# Altium PCB MCU_Board.PcbDoc
Units mil, origin at the board's own origin, x right, y up, seen from the top; angles counter-clockwise.
Board outline 1653.54 x 1968.5 mil, 4 copper layers (Top Layer, GND, Power, Bottom Layer), stack 23.756 mil thick; 49 components, 43 nets, 197 pads, 112 vias.
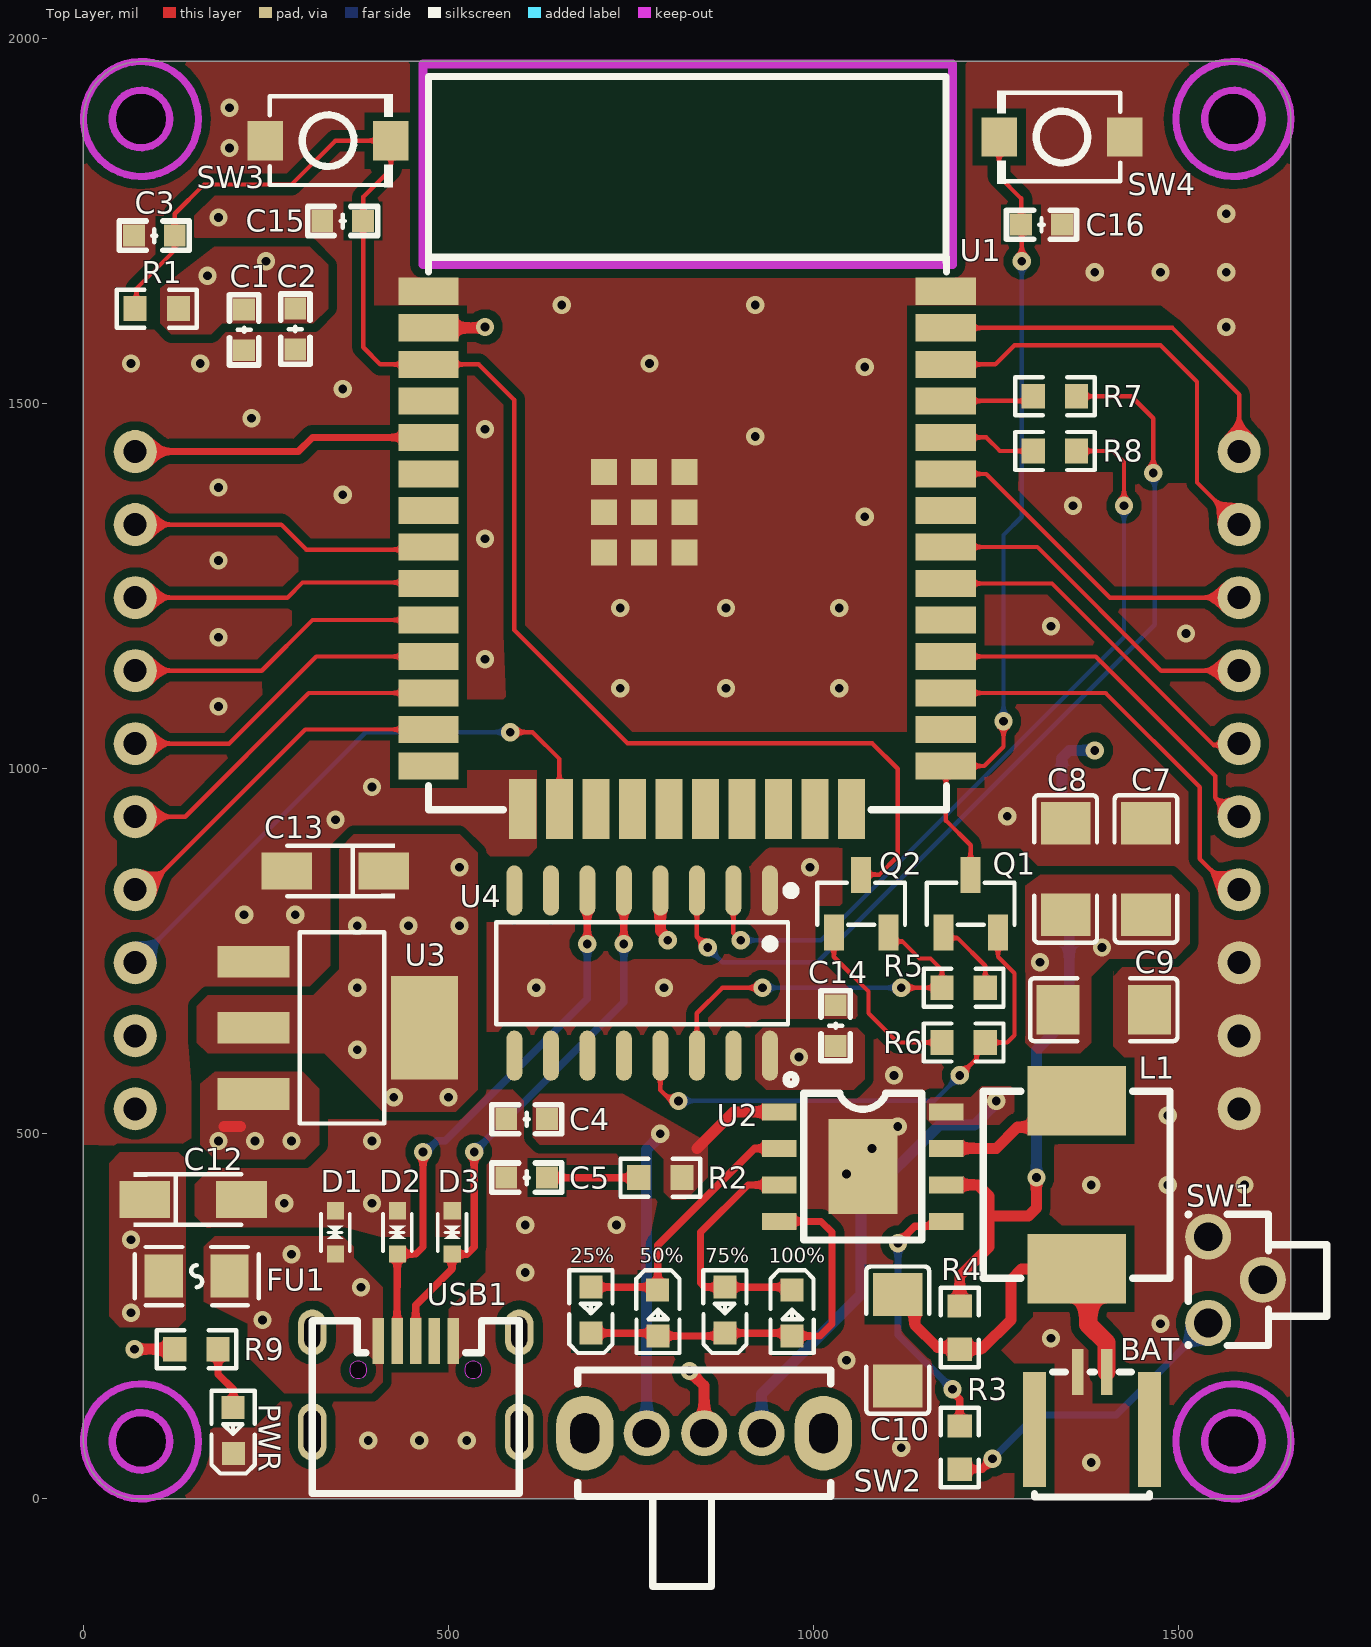
[diagram p0: Top Layer view]
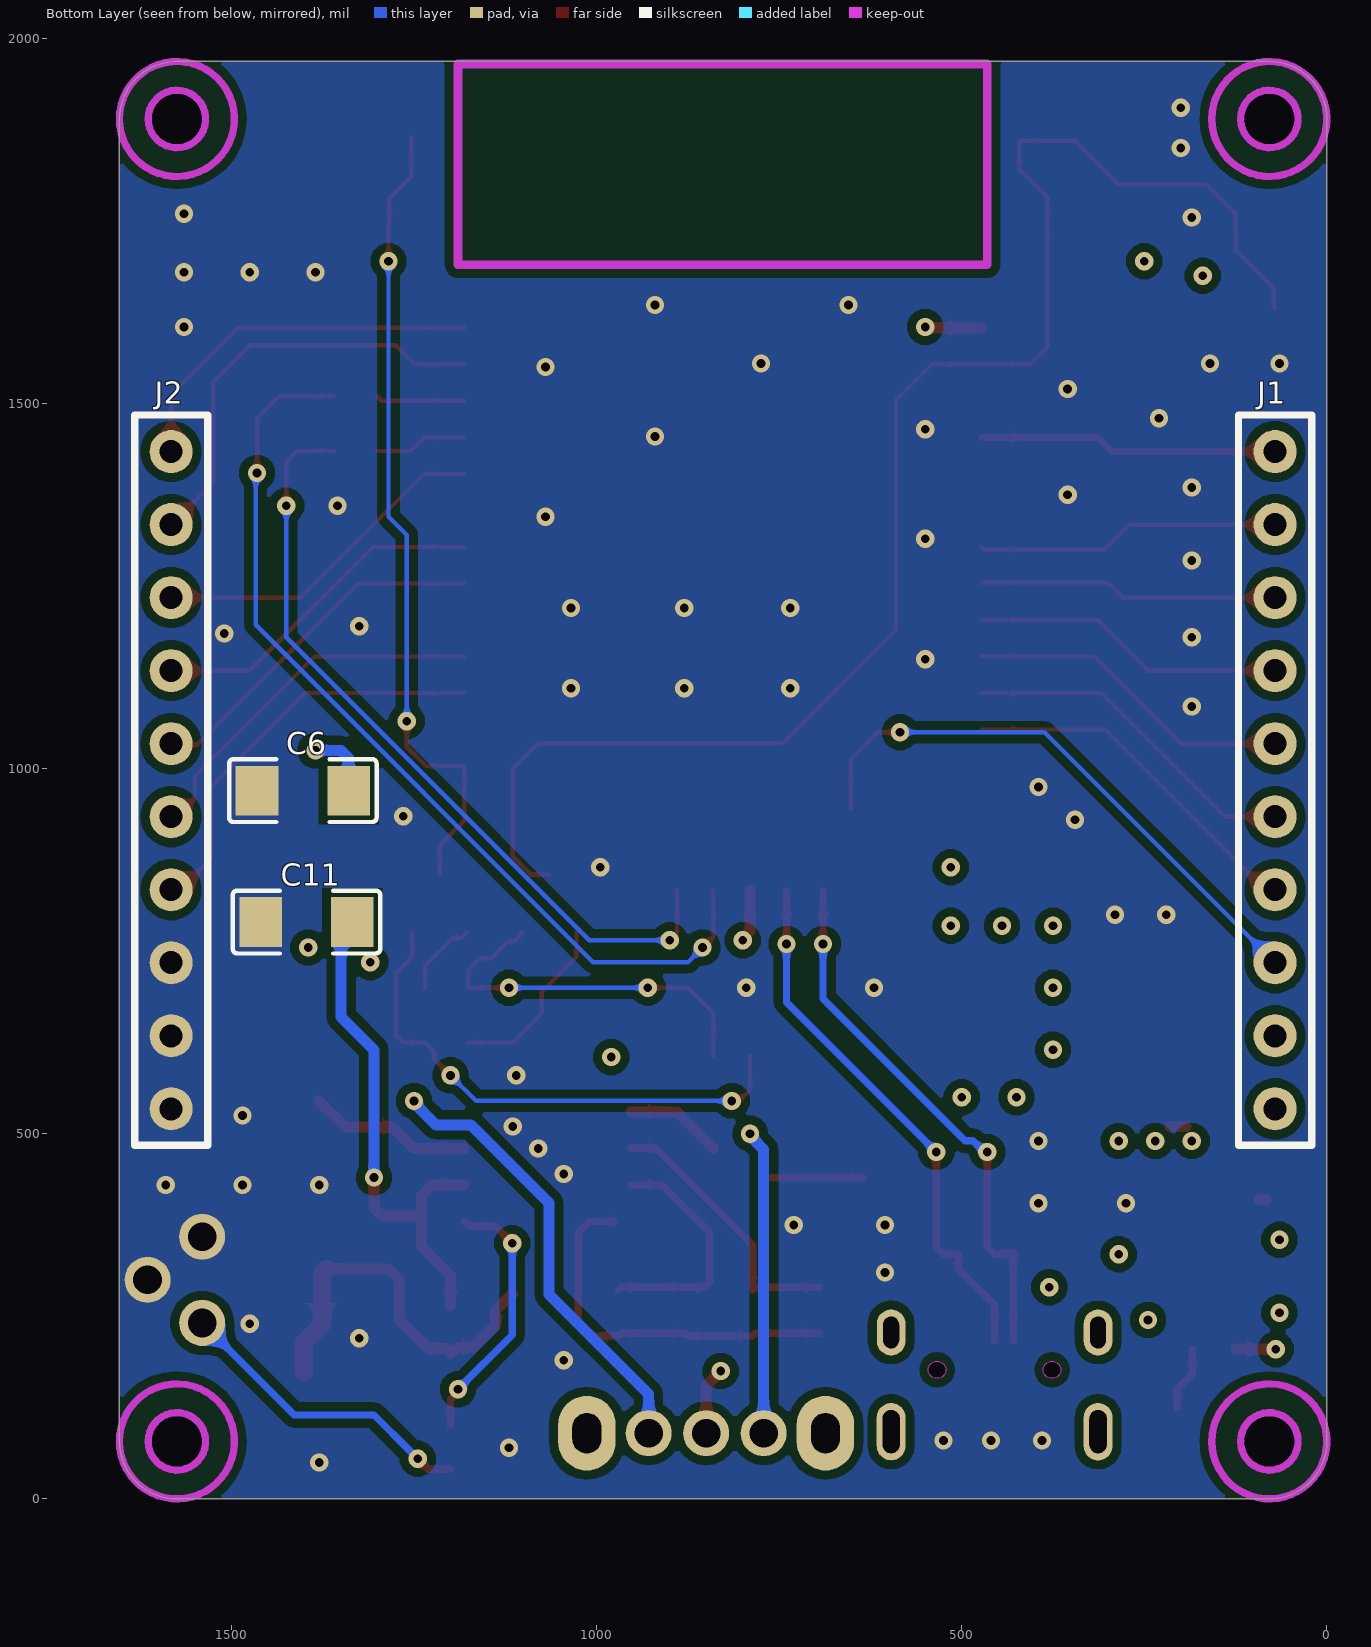
[diagram p1: Bottom Layer view, seen from below]
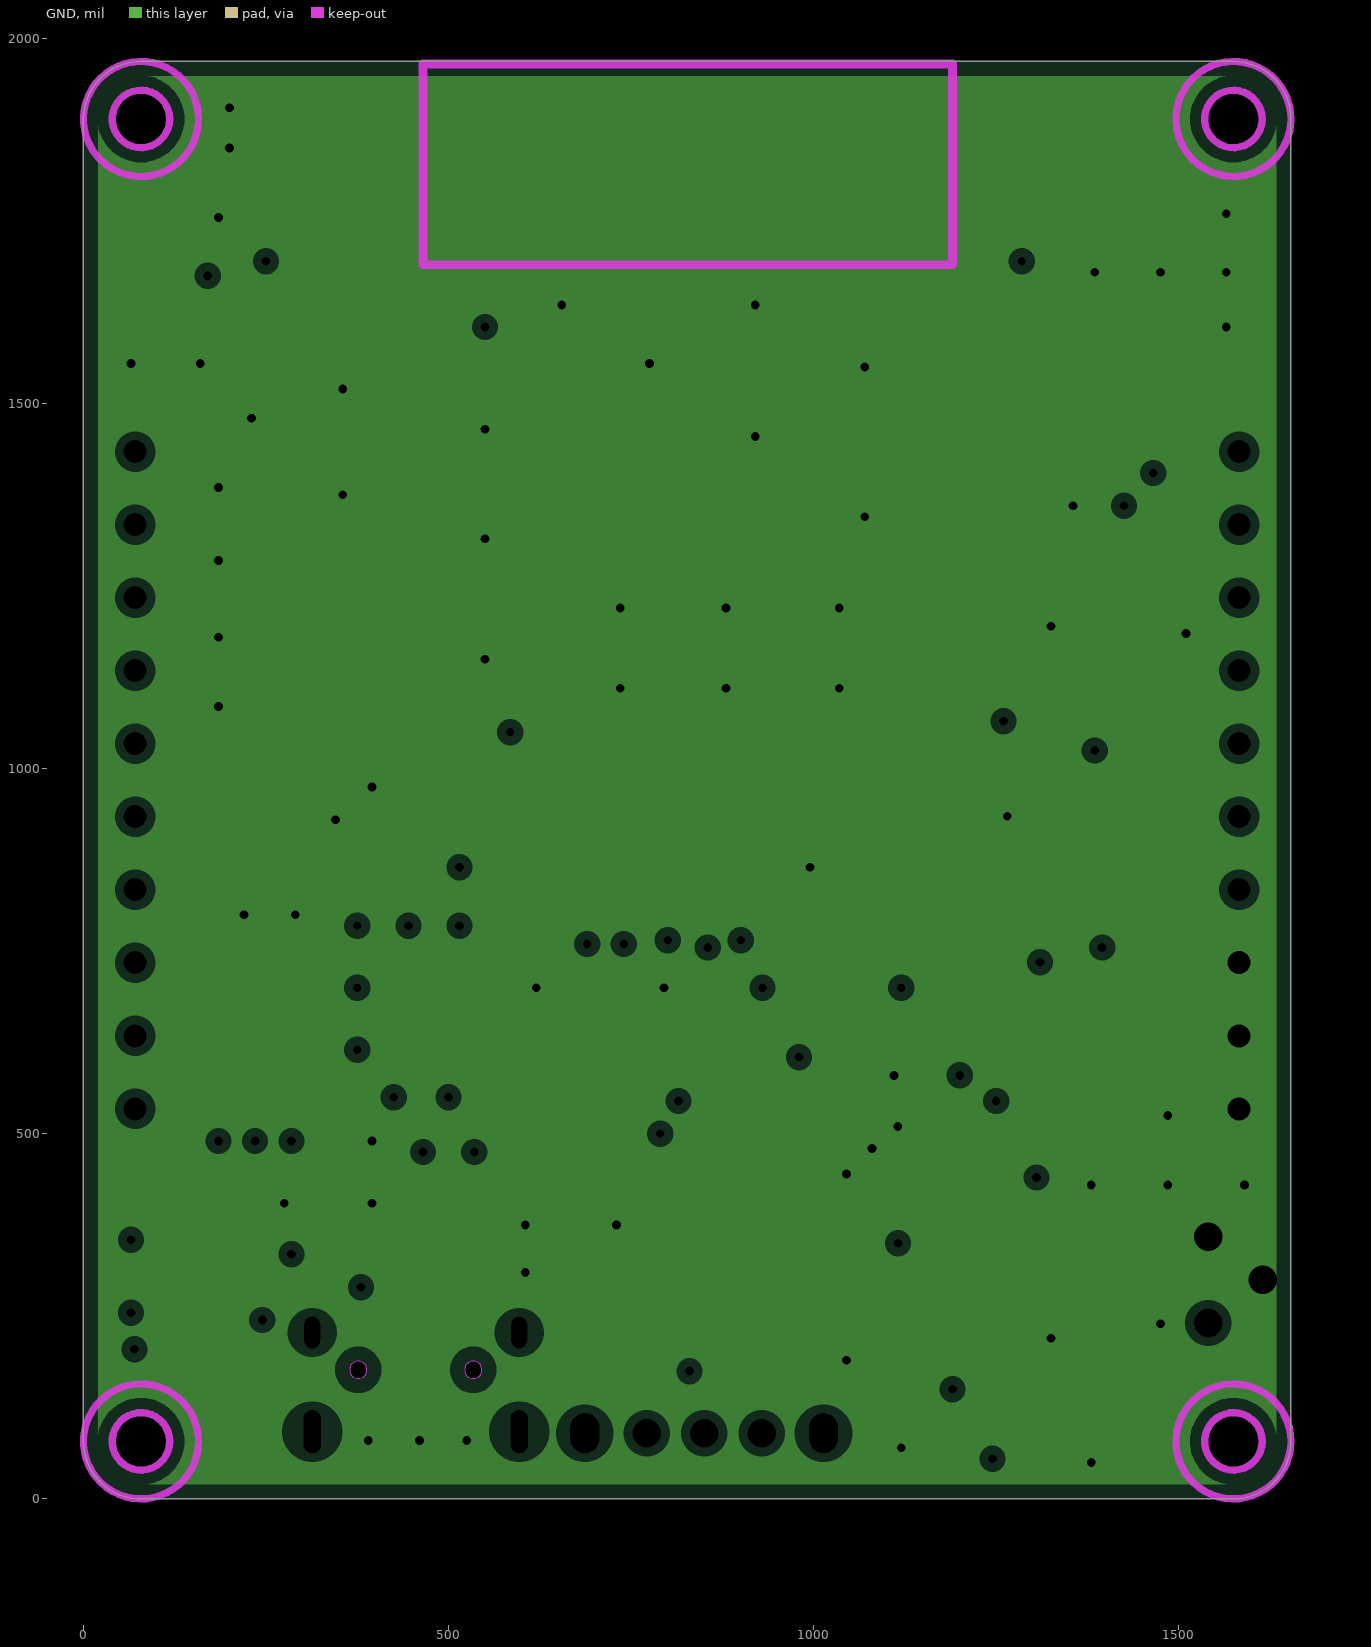
[diagram p2: GND, clearances drawn from the general rule]
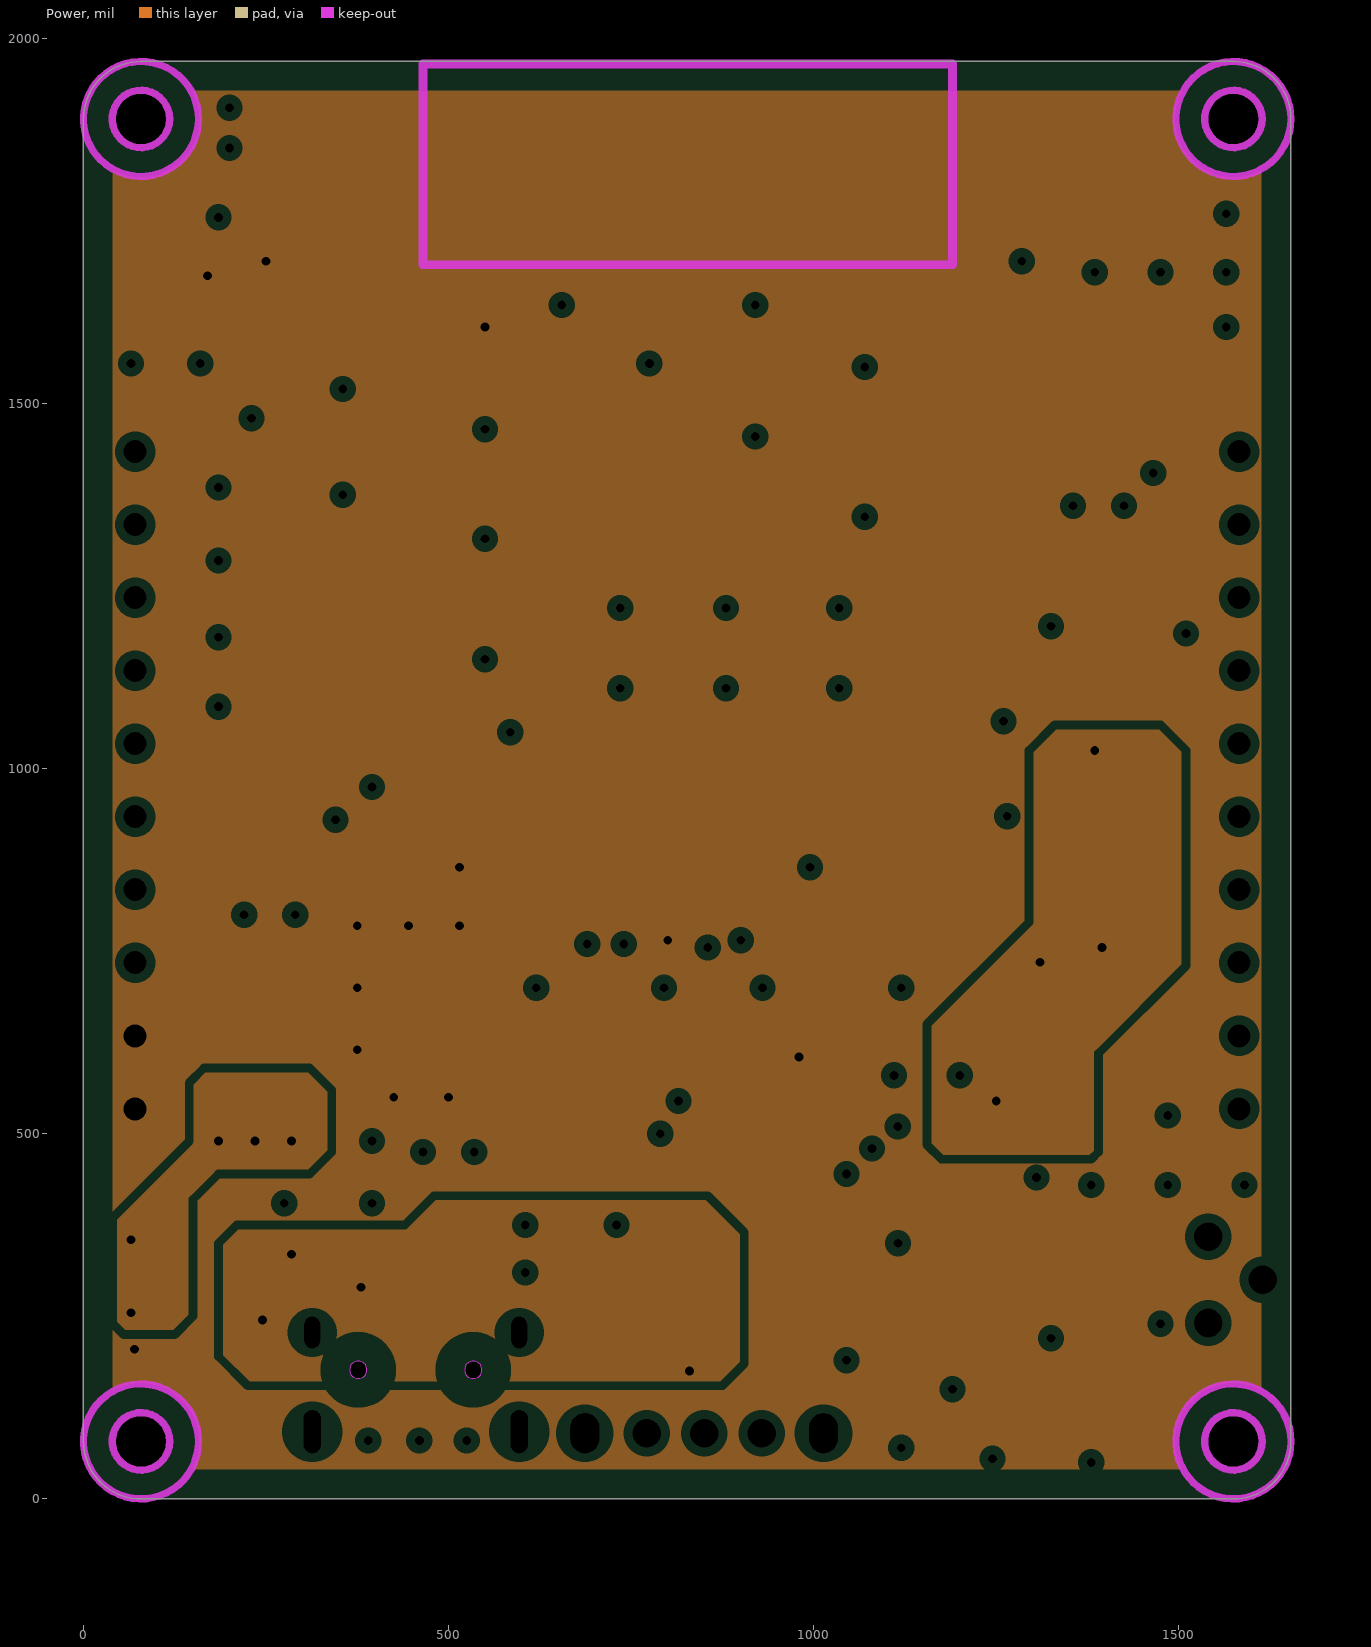
[diagram p3: Power, clearances drawn from the general rule]
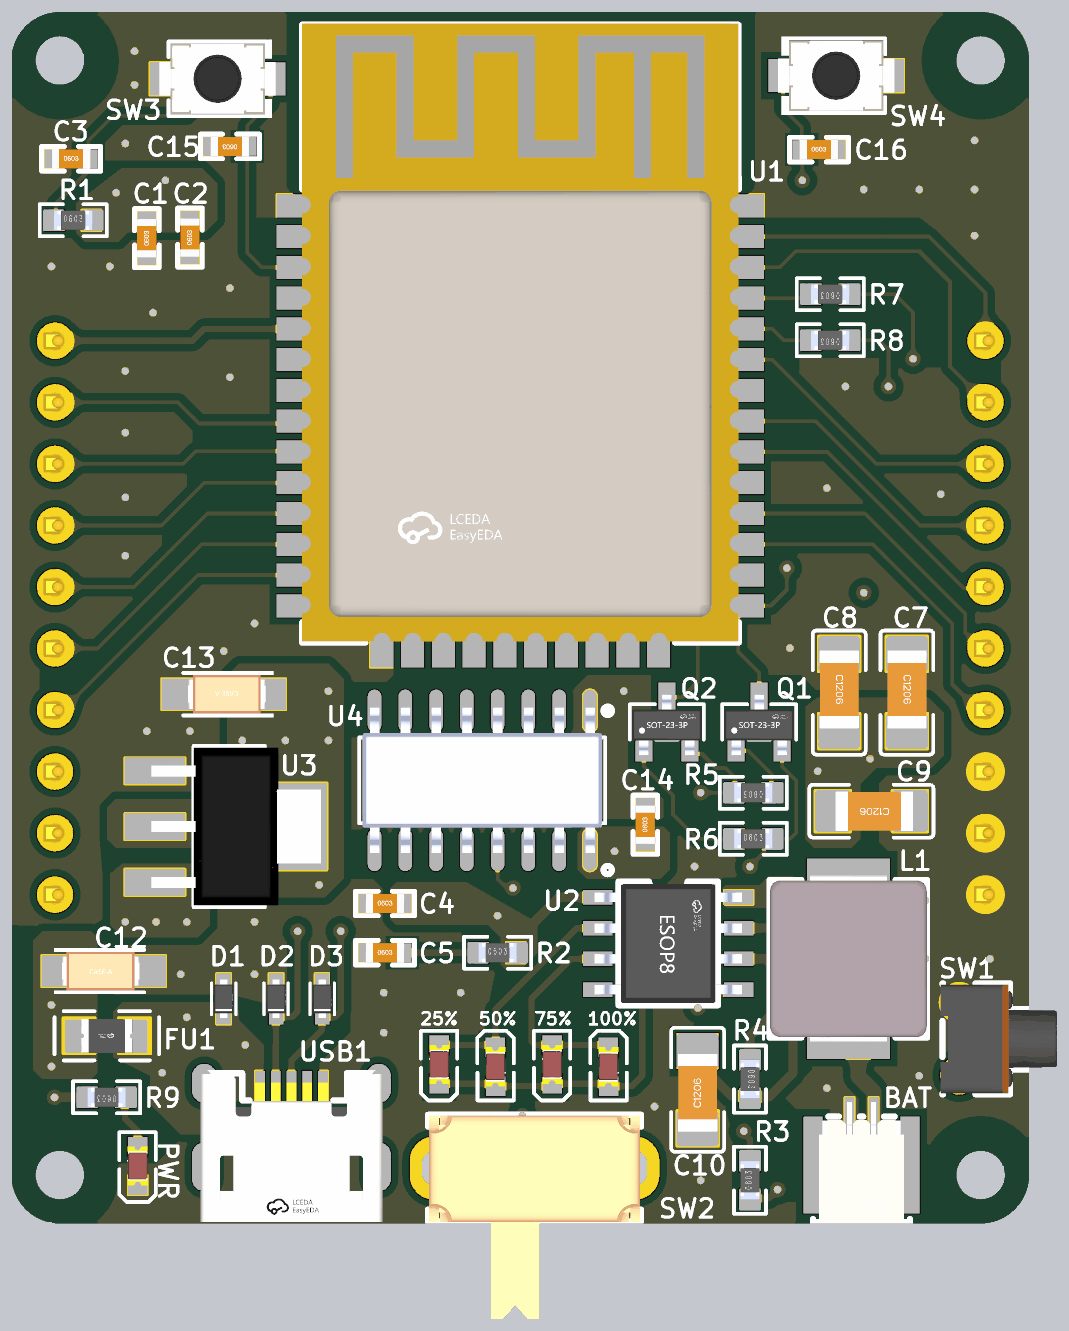
[diagram p4: 3D render of the assembled board from above, using the file's embedded part models]
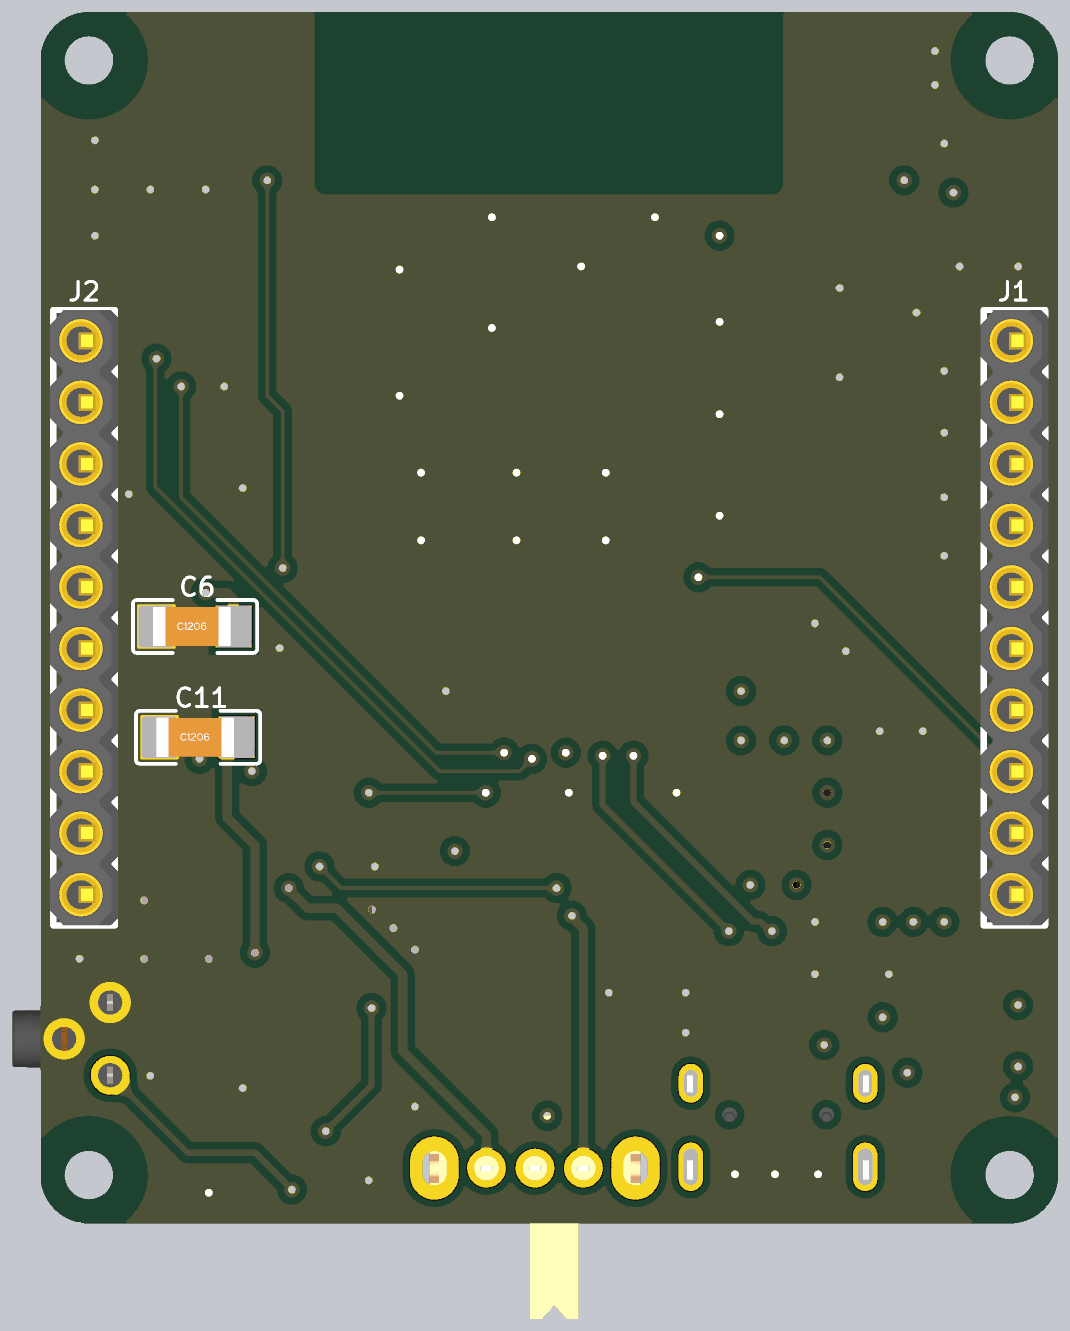
[diagram p5: 3D render of the assembled board from below, using the file's embedded part models]

## Layer stack, top to bottom
Top Solder: solder mask 0.4, Solder Resist, Dk 3.5
Top Layer: signal copper 1.4
Dielectric 1: dielectric 2.8, FR-4, Dk 4.8
GND: plane copper 1.378, net GND
Dielectric2: dielectric 12.6, FR-4, Dk 4.8
Power: plane copper 1.378, net VCC-3.3
Dielectric3: dielectric 2.8, FR-4, Dk 4.8
Bottom Layer: signal copper 1.4
Bottom Solder: solder mask 0.4, Solder Resist, Dk 3.5

## Board outline
0,78.74 ccw(c78.74,78.74) 78.74,0 1574.8,0 ccw(c1574.8,78.74) 1653.54,78.74 1653.54,1889.76 ccw(c1574.8,1889.76) 1574.8,1968.5 78.74,1968.5 ccw(c78.74,1889.76) 0,1889.76
cut-out: 78.74,1850.39 cw(c78.74,1889.76) 39.37,1889.76 cw(c78.74,1889.76) 78.74,1929.13 cw(c78.74,1889.76) 118.11,1889.76 cw(c78.74,1889.76)
cut-out: 1574.8,1850.39 cw(c1574.8,1889.76) 1535.43,1889.76 cw(c1574.8,1889.76) 1574.8,1929.13 cw(c1574.8,1889.76) 1614.17,1889.76 cw(c1574.8,1889.76)
cut-out: 1535.43,78.74 ccw(c1574.8,78.74) 1574.8,39.37 ccw(c1574.8,78.74) 1614.17,78.74 ccw(c1574.8,78.74) 1574.8,118.11 ccw(c1574.8,78.74)
cut-out: 39.37,78.74 ccw(c78.74,78.74) 78.74,39.37 ccw(c78.74,78.74) 118.11,78.74 ccw(c78.74,78.74) 78.74,118.11 ccw(c78.74,78.74)

## Design rules (kind name [scope] priority, off if disabled: settings)
Clearance Clearance_Singnal [InNetClass('Singnal') And (IsTrack Or IsArc) vs InNetClass('Singnal') And (IsTrack Or IsArc)] p1: gap=10 ignorepadtopadclearanceinfootprint=TRUE
Clearance Clearance_InPoly [InPoly] p2: gap=12 ignorepadtopadclearanceinfootprint=TRUE
Clearance [All] p3: gap=8 ignorepadtopadclearanceinfootprint=TRUE
DiffPairsRouting [All] p1: maxlimit=20 minlimit=12 mostfreqgap=12 toplayer_minwidth=6 toplayer_maxwidth=10 toplayer_prefwidth=6 bottomlayer_minwidth=6 bottomlayer_maxwidth=10 bottomlayer_prefwidth=6 maxuncoupledlength=700
HoleToHoleClearance [All] p1: gap=8 allowstackedmicrovias=TRUE
MatchedLengths [InDifferentialPair('D')] p1: tolerance=10 checknetsindiffpair=FALSE checkdiffpairvsdiffpair=TRUE checkxsignals=TRUE checkothers=TRUE
MinimumSolderMaskSliver [All] p1: minsoldermaskwidth=4
PlaneClearance [All] p1: clearance=12
PlaneConnect [All] p1: planeconnectstyle=Direct reliefexpansion=20 reliefentries=4 reliefconductorwidth=10 reliefairgap=10
PolygonConnect PolygonConnect_GND [All] p1: connectstyle=Direct reliefconductorwidth=10 reliefentries=4 polygonreliefangle="90 Angle" airgapwidth=10
PolygonConnect [OnBottomLayer Or OnBottomLayer vs IsVia] p2: connectstyle=Relief reliefconductorwidth=10 reliefentries=4 polygonreliefangle="90 Angle" airgapwidth=10
RoutingVias [All] p1: holewidth=12 width=25 viastyle="Through Hole" minholewidth=12 minwidth=25 maxholewidth=28 maxwidth=50
SilkToSilkClearance [All] p1: silktosilkclearance=2
SilkToSolderMaskClearance [IsPad] p1: minsilkscreentomaskgap=2 clearancetoexposedcopper=TRUE
SolderMaskExpansion [IsVia] p1: expansion=4 istentingtop=TRUE
Width Width_Signal [InNetClass('Singnal')] p1: maxlimit=6 minlimit=6 preferedwidth=6 minimp=50.000000 maximp=50.000000 favimp=50.000000
Width Width_Analog [InNetClass('Analog')] p2: maxlimit=15 minlimit=10 preferedwidth=10 minimp=50.000000 maximp=50.000000 favimp=50.000000
Width Width_PWR [InNetClass('PWR')] p3: maxlimit=30 minlimit=15 preferedwidth=20 minimp=50.000000 maximp=50.000000 favimp=50.000000
Width Width_GND [InNetClass('GND')] p4: maxlimit=50 minlimit=25 preferedwidth=25 minimp=50.000000 maximp=50.000000 favimp=50.000000
23 further rules are at their usual default settings.

## Classes and differential pairs
net class Analog: AIN NetC5_2 NetLED1_1 NetLED1_2 NetLED3_2 NetLED5_2 NetR3_1 NetR3_2
net class Singnal: D_N D_P EN IO0 MCU_C0 MCU_C1 MCU_C2 MCU_INH1 MCU_INH2 MCU_INH3 MCU_R0 MCU_R1 MCU_R2 MCU_R3 MCU_R4 MCU_R5 MCU_RXD MCU_TXD NetQ1_1 NetQ1_2 NetQ2_1 NetQ2_2 RXD RXD0 TXD TXD0
net class GND: GND
net class PWR: NetC11_2 NetL1_1 VBAT VBAT-IN VBAT-OUT VBUS VCC-3.3 VCC-5
differential pair D: +D_P -D_N
